# Altium PCB FULL_CB_REV_D.PcbDoc (continued)
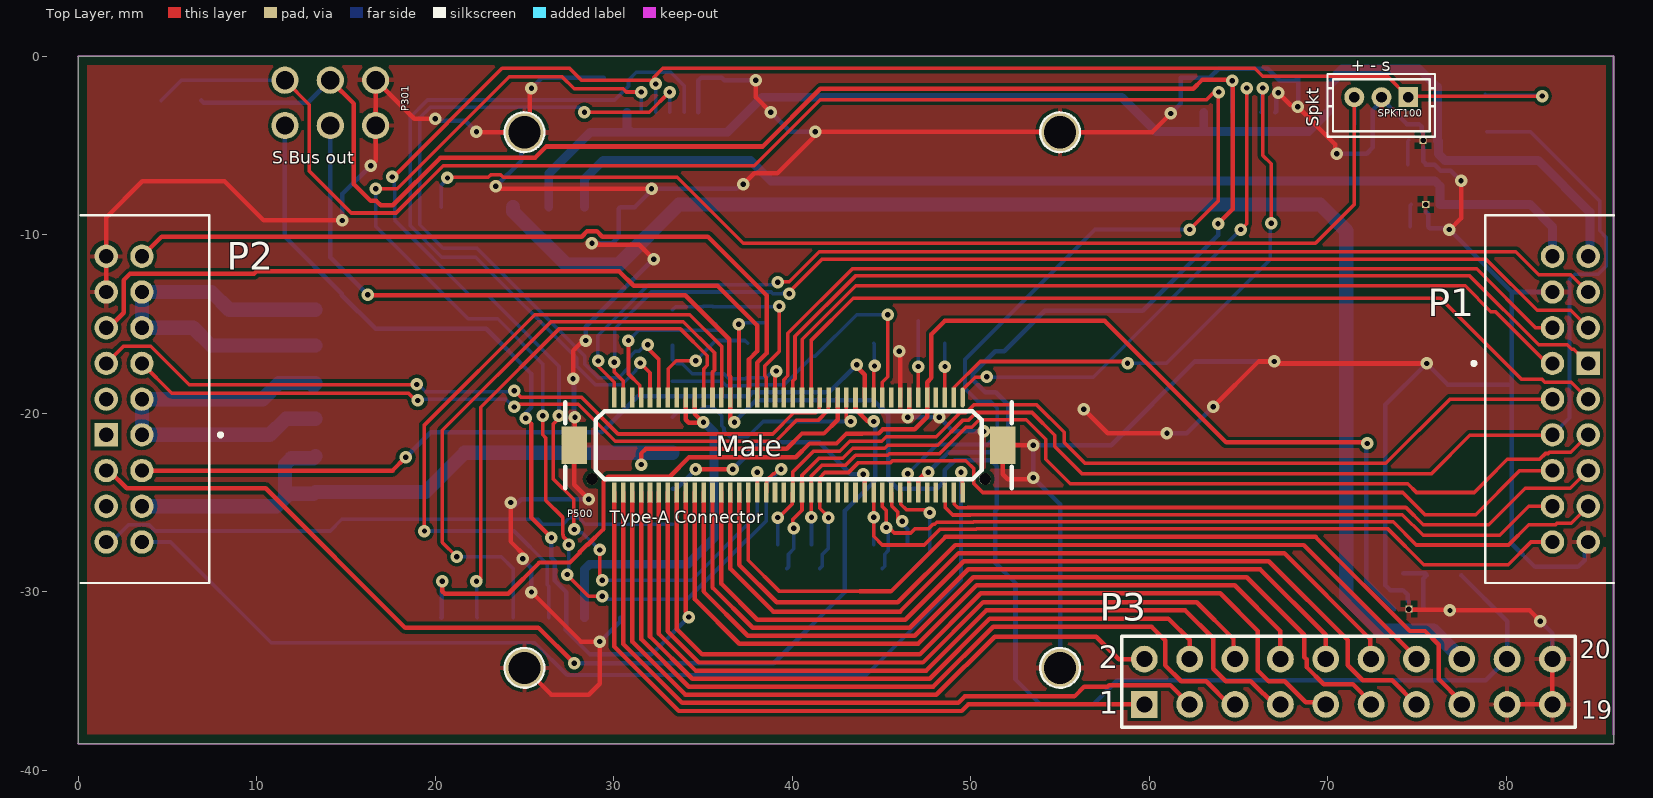
[diagram p0: Top Layer view]
## Nets (pads, with @x,y where several pads share a name; then routed paths per layer and width w, separated by ;. In a path a pad name is that pad's centre, name@x,y a point inside that pad or via, vN(x,y) a via of type N, cw(c..) or ccw(c..) an arc to the next point about the centre after c; other vN are vias at no path point) (continued)
  Top Layer w0.25: P500.54 36.531,-28.687 38.94,-31.096 46.036,-31.096 49.313,-27.819 67.544,-27.819 72.36,-32.635 72.36,-33.705 P3.12
FMU-CH4-PROT: P3.13 P500.56 | length 50.4
  Top Layer w0.254: P500.56 36.031,-29.548 38.031,-31.548 46.332,-31.548 49.609,-28.271 66.681,-28.271 71.1,-32.691 71.1,-34.1 71.95,-34.95 73.6,-34.95 74.95,-36.3 P3.13
FMU-CH5-PROT: P3.10 P500.58 | length 44.8
  Top Layer w0.25: P500.58 35.531,-29.751 37.78,-32 46.575,-32 49.852,-28.723 66.198,-28.723 69.875,-32.4 P3.10
FMU-CH6-PROT: P3.11 P500.60 | length 49.3
  Top Layer w0.25: P500.60 35.031,-29.972 37.509,-32.45 46.859,-32.45 50.134,-29.175 65.45,-29.175 68.675,-32.4 68.675,-33.65 68.8,-33.775 68.8,-34.205 69.77,-35.175 71.4,-35.175 72.415,-36.19 P3.11
FMU-SWCLK: P106.5 P500.3 | length 32.6
  Top Layer w0.2: P500.3 49.079,-19.085 49.079,-18.532 50.518,-17.092 58.667,-17.092 v1(58.775,-17.2) ; v1(66.35,-1.775) 66.35,-5.55 66.825,-6.025 v1(66.825,-9.35)
  Bottom Layer w0.2: v1(58.775,-17.2) 60.95,-17.2 66.775,-11.375 66.775,-9.375 66.8,-9.35 v1(66.825,-9.35) ; P106.5 66.298,-3.086 66.298,-1.827 v1(66.35,-1.775)
FMU-SWDIO: P106.4 P500.1 | length 29.2
  Top Layer w0.2: P500.1 49.534,-18.68 50.24,-17.974 50.868,-17.974 v1(50.892,-17.951) ; v1(65.125,-9.7) 65.45,-9.375 v1(65.45,-1.775)
  Bottom Layer w0.2: v1(50.892,-17.951) 50.915,-17.974 56.851,-17.974 v1(65.125,-9.7) ; P106.4 65.448,-3.136 65.448,-1.777 v1(65.45,-1.775)
GND: D101.A D102.A D108.A D301.A L101.GND L106.GND L300.GND P1.4 P1.7 P2.7 P2.9 P3.17 P3.19 P3.20 P105.6 P105.GND P106.6 P106.GND P301.5 P301.6 P500.13 P500.15 P500.GND PSM200.GND SPKT100.2 | length 308.5
  Top Layer w0.254: P2.9 P2.7 1.575,-9.025 3.6,-7 8.2,-7 10.392,-9.192 v1(14.801,-9.192) ; v1(16.384,-6.125) 16.664,-5.845 P301.5 P301.6 18.826,-3.5 v1(20,-3.5) ; v1(22.312,-4.221) 22.344,-4.253 24.998,-4.253 25.305,-3.945 25.305,-1.883 v1(25.391,-1.798) ; v1(23.391,-7.279) 23.537,-7.425 v1(32.116,-7.425) ; v1(24.221,-24.993) 24.221,-27.17 25.076,-28.025 25.013,-28.025 v1(24.9,-28.138) ; P500.GND@24.998,-34.25 26.512,-35.764 28.59,-35.764 29.207,-35.148 v1(29.207,-32.778) 28.164,-32.778 v1(25.391,-30.004) ; v1(27.721,-18.055) 27.721,-16.49 v1@28.294,-15.916 ; v1(27.828,-20.223) 27.828,-21.731 27.781,-21.779 27.781,-24.005 v1(28.59,-24.814) ; v1(28.781,-10.475) 28.781,-10.552 31.427,-10.552 v1(32.25,-11.375) ; v1(37.25,-7.168) 37.866,-6.552 39.169,-6.552 v1@41.29,-4.431 ; v1(37.957,-1.338) 37.957,-2.28 v1(38.8,-3.123) ; v1(41.287,-4.218) 41.304,-4.235 54.978,-4.235 54.995,-4.253 60.147,-4.253 v1(61.2,-3.2) ; v1(45.992,-16.523) 46.055,-16.585 P500.15 ; v1(46.471,-20.209) 46.537,-20.143 P500.13 ; v1(50.722,-21.011) 51.211,-21.011 51.795,-21.595 51.795,-21.779 51.795,-23.413 52.061,-23.679 53.423,-23.679 v1(53.5,-23.602) ; P500.GND@51.796,-21.779 v1(53.5,-21.779) ; v1(56.319,-19.766) 57.673,-21.12 v1(60.985,-21.12) ; v1(63.575,-19.631) 66.114,-17.092 v1(66.998,-17.092) 67.11,-17.204 v1(75.526,-17.204) ; v1(67.212,-2.034) 67.924,-2.745 ; v1(68.31,-2.831) 70.415,-4.935 70.415,-5.373 v1(70.5,-5.459) ; L300.GND@74.534,-30.959 74.573,-30.997 76.793,-30.997 v1(76.832,-31.036) 81.302,-31.036 v1(81.9,-31.634) ; v1(76.8,-9.7) 76.832,-9.7 77.455,-9.077 v1(77.455,-6.975) ; P3.17 P3.19 P3.20
  Bottom Layer w0.254: v1(14.801,-9.192) 14.801,-7.708 v1(16.384,-6.125) ; v1(20,-3.5) 20.099,-3.5 20.199,-3.6 21.692,-3.6 v1(22.312,-4.221) ; v1(23.391,-7.279) 24.81,-5.859 24.81,-4.441 P500.GND@24.998,-4.253 ; v1@24.427,-25.2 24.813,-24.814 v1(28.59,-24.814) ; v1(24.9,-28.138) 24.9,-28.191 25.391,-28.681 v1(25.391,-30.004) ; v1(25.391,-1.798) 26.001,-1.188 P105.GND@29.445,-1.188 ; v1(27.721,-18.055) 27.775,-18.109 27.775,-20.169 v1(27.828,-20.223) ; v1(28.431,-15.917) 28.431,-15.156 32.212,-11.375 v1(32.25,-11.375) ; v1(28.781,-10.475) 29.91,-10.475 30.275,-10.11 30.275,-8.531 30.36,-8.446 31.166,-8.446 32.116,-7.496 v1(32.116,-7.425) 36.891,-7.425 37.148,-7.168 v1(37.25,-7.168) ; v1(29.207,-32.778) 29.238,-32.778 30.36,-31.656 PSM200.GND@30.36,-31.446 ; P105.6 34.745,-1.338 34.895,-1.188 36.045,-1.188 36.195,-1.338 v1(37.957,-1.338) ; v1(38.8,-3.123) 39.895,-4.218 v1(41.287,-4.218) ; v1(46.471,-20.209) 48.204,-20.209 48.212,-20.217 v1(48.228,-20.217) 49.022,-21.011 v1(50.722,-21.011) ; P500.GND@54.995,-34.25 54.995,-25.097 v1(53.5,-23.602) v1(53.5,-21.779) 57.86,-21.779 62.548,-17.092 v1(66.998,-17.092) ; v1(60.985,-21.12) 62.086,-21.12 v1(63.575,-19.631) ; v1(61.2,-3.2) 61.746,-2.654 61.746,-1.188 63.387,-1.188 63.875,-0.7 65.9,-0.7 66.623,-0.7 67.3,-1.377 68.157,-1.377 68.346,-1.188 68.346,-2.795 v1(68.31,-2.831) ; P106.6 67.093,-3.091 v1@67.093,-2.274 ; v1(70.5,-5.459) 72.165,-5.459 72.516,-5.107 D102.A 72.516,-3.007 72.999,-2.524 SPKT100.2@72.999,-2.371 ; SPKT100.2 SPKT100.2@72.999,-2.371 ; L300.GND@74.534,-30.552 74.465,-30.484 74.465,-30.165 74.2,-29.9 73.5,-29.9 73.213,-29.613 D301.A 73.213,-19.517 v1(75.526,-17.204) 76.722,-18.4 80.3,-18.4 ; L106.GND@75.329,-5.107 75.329,-5.868 75.473,-6.013 D108.A 75.973,-6.064 76.311,-6.402 76.882,-6.402 v1(77.455,-6.975) ; L106.GND@75.329,-4.301 75.253,-4.225 75.253,-3.95 75.1,-3.798 74.426,-3.798 SPKT100.2@72.999,-2.371 ; L101.GND@75.475,-8.7 75.619,-8.844 D101.A 75.697,-9.622 76.722,-9.622 v1(76.8,-9.7) 80.3,-13.2 ; v1(81.9,-31.634) 82.575,-32.309 P3.20 ; P1.4 80.3,-13.2 ; P1.7 84.373,-27.402 84.373,-28.227 84,-28.6 81.6,-28.6 80.3,-27.3 80.3,-18.4 ; 80.3,-18.4 80.3,-13.2
I2C_1_SCL: P1.12 P500.37 | length 48.3
  Top Layer w0.2: P500.37 40.552,-19.103 40.552,-15.85 43.547,-12.856 77.681,-12.856 79.125,-14.3 79.384,-14.3 82.284,-17.2 P1.12
I2C_1_SDA: P1.18 P500.35 | length 50
  Top Layer w0.2: P500.35 41.051,-15.917 43.414,-13.554 76.3,-13.554 80.821,-18.075 81.975,-18.075 82.146,-18.246 83.621,-18.246 P1.18
I2C_2_SCL: P1.8 P500.6 | length 36.2
  Top Layer w0.2: P500.6 48.571,-24.456 48.571,-25.273 48.986,-25.688 49.97,-25.688 49.989,-25.669 74.169,-25.669 75.329,-26.829 79.621,-26.829 81.25,-25.2 P1.8
I2C_2_SDA: P1.16 P500.4 | length 37.9
  Top Layer w0.2: P500.4 49.079,-24.456 49.079,-25.083 49.283,-25.288 49.805,-25.288 49.823,-25.269 74.369,-25.269 75.335,-26.235 79.015,-26.235 81.05,-24.2 83.575,-24.2 P1.16
I\O\-\L\E\D\_\S\A\F\E\T\_\P\R\O\T\: P500.28
IO-!RESET: P500.75
IO-CH1-PROT: P3.1 P500.80 | length 40
  Top Layer w0.25: P500.80 30.032,-24.43 30.032,-33.054 33.644,-36.666 49.486,-36.666 49.852,-36.3 P3.1
IO-CH2-PROT: P3.3 P500.78 | length 42.4
  Top Layer w0.25: P500.78 30.529,-24.431 30.529,-32.915 33.83,-36.216 49.3,-36.216 49.666,-35.85 55.8,-35.85 56.35,-35.3 57.675,-35.3 57.75,-35.225 61.18,-35.225 P3.3
IO-CH3-PROT: P3.2 P500.76 | length 40.1
  Top Layer w0.254: P500.76 31.031,-32.778 34.017,-35.764 48.07,-35.764 51.334,-32.5 57.015,-32.5 58.275,-33.76 P3.2
IO-CH4-PROT: P3.5 P500.74 | length 46.6
  Top Layer w0.254: P500.74 31.531,-32.636 34.205,-35.31 47.882,-35.31 51.248,-31.944 60.119,-31.944 60.875,-32.7 60.875,-34.1 61.775,-35 63.175,-35 64.475,-36.3 P3.5
IO-CH5-PROT: P3.4 P500.72 | length 42.2
  Top Layer w0.254: P500.72 32.031,-32.493 34.393,-34.856 47.694,-34.856 51.06,-31.49 61.062,-31.49 62.255,-32.683 P3.4
IO-CH6-PROT: P3.7 P500.70 | length 48.1
  Top Layer w0.254: P500.70 32.531,-32.351 34.581,-34.402 47.506,-34.402 50.872,-31.036 62.011,-31.036 63.575,-32.6 63.575,-34.3 64.275,-35 65.675,-35 66.375,-35.7 66.398,-35.7 66.998,-36.3 P3.7
IO-CH7-PROT: P3.6 P500.68 | length 43.6
  Top Layer w0.25: P500.68 33.031,-32.212 34.769,-33.95 47.319,-33.95 50.685,-30.584 62.659,-30.584 64.71,-32.635 64.71,-33.675 P3.6
IO-CH8-PROT: P3.9 P500.66 | length 49.9
  Top Layer w0.25: P500.66 33.531,-32.076 34.955,-33.5 47.133,-33.5 50.558,-30.075 63.964,-30.075 66.075,-32.186 66.075,-34.4 66.675,-35 67.575,-35 68.75,-36.175 69.75,-36.175 P3.9
IO-SWCLK: P105.5 P500.71 | length 44.1
  Top Layer w0.2: v1(31.475,-17.173) 32.031,-17.728 P500.71
  Bottom Layer w0.2: v1(31.475,-17.173) 31.475,-17.308 31.225,-17.558 31.225,-17.61 30.441,-18.394 28.979,-18.394 27.93,-17.345 27.93,-16.901 22.278,-11.249 20.375,-11.249 18.6,-9.474 18.6,-3.415 19.567,-2.448 30.059,-2.448 30.825,-1.682 30.825,-1.338 31.263,-0.9 33.183,-0.9 33.945,-1.662 P105.5
IO-SWDIO: P105.4 P500.69 | length 42.9
  Top Layer w0.2: v1(28.36,-3.138) 31.987,-3.138 v1(33.125,-2) ; v1(31.912,-16.163) 31.892,-16.163 31.805,-16.25 32.531,-16.976 P500.69
  Bottom Layer w0.2: v1(28.36,-3.138) 28.07,-2.848 19.733,-2.848 19.133,-3.448 19.133,-9.441 20.441,-10.75 22.345,-10.75 28.383,-16.788 28.383,-17.232 29.144,-17.994 30.275,-17.994 30.825,-17.444 30.825,-16.903 31.206,-16.523 31.417,-16.523 31.776,-16.163 v1(31.912,-16.163) ; v1(33.125,-2) 33.135,-2.01 33.135,-3.128 P105.4
IO-USART1_RX_SPECTRUM_DSM: JP100.1 P105.3 P500.48 SPKT100.1 | length 115.8
  Top Layer w0.2: v1(17.593,-6.759) 17.661,-6.759 23.744,-0.675 27.526,-0.675 28.201,-1.35 v1@32.346,-1.35 ; v1(26.933,-20.135) 26.933,-20.27 26.6,-20.603 26.6,-23.662 27.753,-24.814 27.753,-26.501 v1(27.783,-26.501) ; v1(29.207,-27.648) 29.207,-29.19 v1(29.357,-29.34) ; v1(32.346,-1.55) v1@32.346,-1.35 ; P500.48 38.031,-23.305 v1(38.042,-23.294) ; v1(82,-2.225) 74.564,-2.225 SPKT100.1 73.333,-1.125 66.35,-1.125 65.9,-0.675 32.75,-0.675 32.25,-1.175 32.25,-1.245 32.355,-1.35 v1@32.346,-1.35
  Bottom Layer w0.2: v1(17.593,-6.759) 17.705,-6.871 17.705,-7.405 17.725,-7.425 17.725,-9.165 21.943,-13.382 22.957,-13.382 26.933,-17.358 v1(26.933,-20.135) ; v1(27.783,-26.501) 27.753,-26.531 27.753,-26.586 27.849,-26.682 28.24,-26.682 v1(29.207,-27.648) ; v1(29.357,-29.34) 34.36,-29.34 38.042,-25.658 v1(38.042,-23.294) ; P105.3 v1(32.346,-1.55) ; JP100.1 78.849,-2.182 81.957,-2.182 v1(82,-2.225)
IO-USART1_TX: P105.2 P500.46 | length 64.6
  Top Layer w0.2: v1(16.664,-7.425) 17.875,-7.425 24.152,-1.148 27.106,-1.148 27.783,-1.825 30.531,-1.825 30.706,-2 v1(31.545,-2) ; v1(26.023,-20.135) 26.023,-21.198 26.2,-21.375 26.2,-24.873 27.133,-25.806 27.133,-26.77 27.16,-26.798 27.16,-26.891 27.484,-27.215 v1(27.484,-27.35) ; v1(27.4,-29.025) 27.4,-29.05 28.59,-30.24 v1(29.357,-30.24) ; P500.46 38.558,-24.402 38.558,-23.756 38.94,-23.374 38.995,-23.374 39.235,-23.135 v1(39.37,-23.135)
  Bottom Layer w0.2: v1(16.664,-7.425) 16.664,-9.53 21.841,-14.706 23.498,-14.706 26.023,-17.231 v1(26.023,-20.135) ; v1(27.4,-29.025) 27.484,-28.941 v1(27.484,-27.35) ; v1(29.357,-30.24) 29.453,-30.336 29.618,-30.336 29.678,-30.396 34.127,-30.396 37.493,-27.03 37.532,-27.03 38.529,-26.033 38.529,-23.976 v1(39.37,-23.135) ; P105.2 v1(31.545,-2)
NetD101_C: D101.C L101.P$2 | length 1.3
  Bottom Layer w0.2: D101.C 74.611,-8.351 L101.P$2
NetD108_C: D108.C L106.P$2 | length 1.4
  Bottom Layer w0.2: D108.C 74.465,-4.758 L106.P$2
NetD300_CATHODE: D300.CATHODE D301.C L300.P$1 | length 3.4
  Bottom Layer w0.254: D301.C 75.443,-28.952 D300.CATHODE 75.334,-29.264 L300.P$1
OTG_DM1: P2.11 P500.33 | length 43.7
  Top Layer w0.2: P2.11 2.525,-16.25 3,-16.25 3.004,-16.246 4.071,-16.246 6.225,-18.4 18.948,-18.4 v1(18.971,-18.377) ; v1(24.427,-18.722) 24.427,-18.727 24.785,-19.085 28.175,-19.085 30.242,-21.151 38.905,-21.151 40.085,-19.971 41.302,-19.971 41.506,-19.766 41.506,-19.139 P500.33
  Bottom Layer w0.2: v1(18.971,-18.377) 19.046,-18.377 19.462,-18.792 24.357,-18.792 v1(24.427,-18.722)
OTG_DP1: P2.17 P500.31 | length 41.9
  Top Layer w0.2: P2.17 5.25,-18.875 18.506,-18.875 18.906,-19.275 v1(19.025,-19.275) ; v1(24.424,-19.638) 24.424,-19.615 24.554,-19.485 28.01,-19.485 30.076,-21.551 39.07,-21.551 40.251,-20.371 41.468,-20.371 42.014,-19.824 42.014,-19.139 P500.31
  Bottom Layer w0.2: v1(19.025,-19.275) 19.1,-19.2 23.943,-19.2 24.381,-19.638 v1(24.424,-19.638)
PPM-SBUS-PROT: P3.8 P500.62 | length 43.8
  Top Layer w0.25: P500.62 34.531,-30.398 37.033,-32.9 47.045,-32.9 50.32,-29.625 64.774,-29.625 67.335,-32.186 P3.8
PRESSURE_SENS_IN: ADC_PR.P$1 P500.21 | length 3.1
  Top Layer w0.2: P500.21 44.556,-17.391 v1(44.607,-17.34)
  Bottom Layer w0.2: ADC_PR.P$1 44.581,-16.1 44.581,-17.315 v1(44.607,-17.34)
RX_5V0_OUT: P3.16 PSM200.RX | length 78.6
  Bottom Layer w0.8: PSM200.RX 24.36,-8.688 27.347,-11.675 30.275,-11.675 33.65,-8.3 69.55,-8.3 71.025,-9.775 71.025,-30.275 72.912,-32.162 75.897,-32.162 P3.16
S.BUS_OUT: P301.1 P500.64 | length 54.1
  Top Layer w0.254: v1(25.076,-20.276) 25.391,-20.59 25.391,-25.837 v1(26.51,-26.957) ; P500.64 34.031,-31.109 34.206,-31.284 v1(34.206,-31.405)
  Bottom Layer w0.254: P301.1 11.584,-10.11 14.774,-13.3 14.774,-13.376 16.664,-15.266 22.866,-15.266 25.391,-17.791 25.391,-19.664 25.076,-19.978 v1(25.076,-20.276) ; v1(26.51,-26.957) 26.51,-28.081 26.7,-28.271 26.7,-29.358 27.347,-30.004 27.347,-31.873 27.3,-31.92 27.3,-32.13 28.67,-33.5 32.111,-33.5 v1(34.206,-31.405)
SAFETY: P500.17
SERIAL1_CTS: P500.44
SERIAL1_RTS: P500.42
SERIAL1_RX: JP100.2 P1.17 P500.38 S1RX.P$1 | length 75.1
  Top Layer w0.2: v1(40.087,-26.428) 40.046,-26.469 40.035,-26.469 40.035,-25.932 40.543,-25.424 P500.38 40.543,-23.461 41.494,-22.51 42.818,-22.51 43.377,-21.951 45.176,-21.951 45.349,-21.779 48.151,-21.779 49.559,-20.371 49.877,-20.371 50.297,-19.951 53.426,-19.951 54.7,-21.225 54.7,-21.85 56.224,-23.374 75.801,-23.374 77.95,-21.225 82.55,-21.225 P1.17
  Bottom Layer w0.2: S1RX.P$1 39.789,-28.598 39.789,-27.879 40.087,-27.581 v1(40.087,-26.428) ; JP100.2 81.347,-4.222 85.225,-8.1 85.225,-9.775 85.575,-10.125 85.575,-11.75 85.125,-12.2 83.825,-12.2 83.529,-12.496 83.529,-20.246 P1.17
SERIAL1_TX: P1.6 P500.40 S1TX.P$1 | length 51.7
  Top Layer w0.2: v1(39.181,-25.831) 39.283,-25.729 39.34,-25.729 40.008,-25.062 40.008,-24.456 P500.40 40.035,-23.259 41.184,-22.11 42.652,-22.11 43.211,-21.551 45.01,-21.551 45.253,-21.309 48.055,-21.309 49.393,-19.971 49.711,-19.971 50.157,-19.525 53.7,-19.525 55.225,-21.05 55.225,-21.625 56.391,-22.791 73.241,-22.791 76.832,-19.2 P1.6
  Bottom Layer w0.2: S1TX.P$1 39.178,-27.347 39.178,-25.835 v1(39.181,-25.831)
SERIAL2_CTS: P500.32
SERIAL2_RTS: P500.30
SERIAL2_RX: P1.10 P500.34 S2RX.P$1 | length 49.7
  Top Layer w0.2: v1(42.025,-25.85) 42.025,-25.796 41.533,-25.305 41.533,-23.602 41.825,-23.31 43.149,-23.31 43.708,-22.751 45.508,-22.751 45.609,-22.65 49.719,-22.65 50.174,-23.105 50.174,-23.94 50.663,-24.429 74.196,-24.429 75.436,-25.669 78.281,-25.669 80.75,-23.2 P1.10
  Bottom Layer w0.2: S2RX.P$1 41.689,-28.532 41.689,-27.879 42.025,-27.543 v1(42.025,-25.85)
SERIAL2_TX: P1.11 P500.36 S2TX.P$1 | length 52.4
  Top Layer w0.2: v1(41.075,-25.825) 41.063,-25.813 41.063,-24.441 P500.36 41.051,-23.518 41.66,-22.91 42.984,-22.91 43.542,-22.351 45.342,-22.351 45.443,-22.25 48.245,-22.25 49.725,-20.771 50.043,-20.771 50.463,-20.351 53.101,-20.351 54.2,-21.45 54.2,-22.575 55.565,-23.94 74.466,-23.94 74.955,-24.429 78.196,-24.429 79.425,-23.2 79.425,-23.185 80.035,-22.575 81.851,-22.575 82.18,-22.246 82.329,-22.246 82.4,-22.175 83.6,-22.175 P1.11
  Bottom Layer w0.2: S2TX.P$1 v1(41.075,-25.825)
SERIAL3_RX: P1.9 P500.20 S3RX.P$1 | length 45.7
  Top Layer w0.2: P500.20 45.039,-25.214 45.262,-25.437 v1(45.262,-26.392) 45.397,-26.392 45.702,-26.696 46.632,-26.696 46.859,-26.469 47.614,-26.469 47.882,-26.201 47.972,-26.201 48.085,-26.088 50.136,-26.088 50.155,-26.069 73.649,-26.069 74.949,-27.369 80.115,-27.369 81.25,-26.235 82.744,-26.235 82.825,-26.154 83.621,-26.154 P1.9
  Bottom Layer w0.2: S3RX.P$1 45.17,-28.556 45.17,-27.879 45.364,-27.685 45.364,-26.493 v1(45.262,-26.392)
SERIAL3_TX: P1.15 P500.22 S3TX.P$1 | length 43.9
  Top Layer w0.2: P500.22 v1(44.556,-25.825) 44.556,-26.887 45.039,-27.369 47.397,-27.369 48.272,-26.494 50.295,-26.494 50.32,-26.469 73.368,-26.469 75.374,-28.475 80.094,-28.475 81.369,-27.2 P1.15
  Bottom Layer w0.2: S3TX.P$1 v1(44.556,-25.825)
SERIAL4_RX: P500.16 S4RX.P$1 | length 6
  Top Layer w0.2: P500.16 46.082,-24.456 46.082,-25.083 46.394,-25.396 47.547,-25.396 v1(47.702,-25.551)
  Bottom Layer w0.2: S4RX.P$1 47.702,-27.785 v1(47.702,-25.551)
SERIAL4_TX: P500.18 S4TX.P$1 | length 3.3
  Top Layer w0.2: P500.18 45.574,-24.456 45.574,-25.183 45.912,-25.521 45.912,-25.892 46.065,-26.046 v1(46.162,-26.046)
  Bottom Layer w0.2: v1(46.162,-26.046) 46.162,-26.181 46.45,-26.469 S4TX.P$1
SERIAL5_RX: P106.3 P301.4 P500.12 S5_RX.P$1 | length 105.9
  Top Layer w0.254: P301.4 15.45,-2.664 15.45,-7.168 16.384,-8.102 16.701,-8.102 16.949,-8.35 17.629,-8.35 20.294,-5.685 25.591,-5.685 26.226,-5.05 38.343,-5.05 41.568,-1.825 62.45,-1.825 62.95,-1.325 64.52,-1.325 64.572,-1.377 v1(64.643,-1.377) ; P500.12 47.045,-23.734 47.319,-23.46 47.333,-23.46 47.494,-23.3 v1(47.614,-23.3) ; v1(63.846,-9.375) 64.668,-8.552 v1@64.668,-1.325
  Bottom Layer w0.254: S5_RX.P$1 7.03,-2.605 12.857,-2.605 P301.4 ; v1(47.614,-23.3) 48.745,-22.169 51.087,-22.169 52.1,-21.156 52.1,-19.517 51.404,-18.821 50.804,-18.821 50.1,-18.117 50.1,-17.785 51.362,-16.523 51.875,-16.523 54.148,-14.25 59.625,-14.25 63.846,-10.029 v1(63.846,-9.375) ; v1(64.643,-1.377) 64.644,-1.378 64.644,-3.137 P106.3
SERIAL5_TX: P106.2 P301.2 P500.14 S5_TX.P$1 | length 105.2
  Top Layer w0.2: P301.2 12.95,-2.704 12.95,-6.422 15.305,-8.777 17.806,-8.777 20.458,-6.125 37.872,-6.125 41.572,-2.425 63.2,-2.425 63.654,-1.971 63.684,-2.002 v1(63.875,-2.002) ; v1(46.471,-23.375) 46.51,-23.414 46.51,-24.402 P500.14 ; v1(62.255,-9.7) 63.85,-8.105 v1@63.85,-2.002
  Bottom Layer w0.2: S5_TX.P$1 5.787,-1.338 P301.2 ; v1(46.471,-23.375) 48.104,-21.742 50.91,-21.742 51.473,-21.178 51.473,-19.707 51.101,-19.334 50.403,-19.334 49.673,-18.604 49.673,-16.977 56.95,-9.7 v1(62.255,-9.7) ; P106.2 63.86,-3.123 63.86,-2.017 v1(63.875,-2.002)
SPI_EXT_MISO: P500.67 SPI_MISO1.P$1 | length 6.8
  Top Layer w0.2: P500.67 33.058,-19.085 33.058,-17.492 33.499,-17.051 34.581,-17.051 v1(34.591,-17.042)
  Bottom Layer w0.2: v1(34.591,-17.042) 35.716,-15.916 37.341,-15.916 SPI_MISO1.P$1
SPI_EXT_MOSI: P500.51 SPI_MOSI1.P$1 | length 5.7
  Top Layer w0.2: v1(37.001,-14.999) 37.016,-15.014 37.016,-19.097 P500.51
  Bottom Layer w0.2: v1(37.001,-14.999) 37.088,-14.912 38.522,-14.912 SPI_MOSI1.P$1@38.542,-14.892
SPI_EXT_SCK: P500.73 SPI_SCK1.P$1 | length 9
  Top Layer w0.2: v1(30.825,-15.917) 30.825,-17.796 31.458,-18.429 31.458,-19.039 P500.73
  Bottom Layer w0.2: v1(30.825,-15.917) 31.402,-15.341 SPI_SCK1.P$1@35.973,-15.341 ; SPI_SCK1.P$1@35.611,-14.975 SPI_SCK1.P$1
V\B\U\S\_\V\A\L\I\D\: P500.59 PSM200.!VBUS_VALID | length 29.5
  Top Layer w0.2: v1(22.312,-29.405) 22.433,-29.405 22.55,-29.288 22.55,-19.65 26.933,-15.267 33.735,-15.267 35.241,-16.772 35.241,-17.311 35.031,-17.521 P500.59
  Bottom Layer w0.2: v1(22.312,-29.405) 22.334,-29.428 22.334,-31.424 PSM200.!VBUS_VALID
V\D\D\_\5\V\_\H\I\P\O\W\E\R\_\O\C\: P500.45 PSM200.!VDD_5V_HIPOWER_OC | length 11.6
  Top Layer w0.2: P500.45 38.531,-17.974 38.452,-17.895 38.452,-17.343 39.264,-16.53 v1(39.264,-13.993)
  Bottom Layer w0.2: PSM200.!VDD_5V_HIPOWER_OC 33.471,-14.017 34.998,-14.017 35.006,-14.009 35.544,-14.009 35.552,-14.017 39.24,-14.017 v1(39.264,-13.993)
V\D\D\_\5\V\_\P\E\R\I\P\H\_\E\N\: P500.27 PSM200.!VDD_5V_PERIPH_EN | length 13.4
  Top Layer w0.2: P500.27 43.032,-20.347 43.277,-20.592 v1(43.277,-20.451)
  Bottom Layer w0.2: PSM200.!VDD_5V_PERIPH_EN 33.605,-19.891 34.772,-19.891 35.025,-19.638 35.553,-19.638 36.045,-20.13 36.045,-20.692 36.175,-20.822 36.175,-20.995 36.488,-21.309 37.51,-21.309 38.368,-20.451 v1(43.277,-20.451)
V\D\D\_\5\V\_\P\E\R\I\P\H\_\O\C\: P500.43 PSM200.!VDD_5V_PERIPH_OC | length 8.7
  Top Layer w0.2: P500.43 39.031,-17.697 v1(39.102,-17.626)
  Bottom Layer w0.2: PSM200.!VDD_5V_PERIPH_OC 33.292,-16.988 33.517,-17.212 33.842,-17.212 34.405,-17.775 36.179,-17.775 36.459,-18.055 37.365,-18.055 37.426,-17.994 38.529,-17.994 38.897,-17.626 v1(39.102,-17.626)
V\D\D\_\B\A\C\K\U\P\_\V\A\L\I\D\: P500.57 PSM200.!VDD_BACKUP_VALID | length 34.6
  Top Layer w0.2: v1(21.2,-28.025) 20.4,-27.225 20.4,-20.95 26.483,-14.867 33.901,-14.867 35.641,-16.607 35.641,-17.575 35.531,-17.685 P500.57
  Bottom Layer w0.2: v1(21.2,-28.025) 23.7,-28.025 24.36,-28.685 PSM200.!VDD_BACKUP_VALID
V\D\D\_\B\R\I\C\K\_\V\A\L\I\D\: P500.55 PSM200.!VDD_BRICK_VALID | length 39.4
  Top Layer w0.2: v1(19.399,-26.586) 19.399,-26.524 19.375,-26.5 19.375,-20.675 25.583,-14.467 34.258,-14.467 36.041,-16.25 36.041,-19.102 P500.55
  Bottom Layer w0.2: v1(19.399,-26.586) 24.411,-26.586 26.273,-28.448 26.273,-29.585 26.36,-29.671 PSM200.!VDD_BRICK_VALID
VBUS: P2.4 P500.29 PSM200.VBUS PSM200.VDD_VBUS | length 49
  Top Layer w0.25: v1(31.531,-22.865) 31.531,-22.25 31.805,-21.976 39.692,-21.976 40.543,-21.125 41.773,-21.125 42.549,-20.349 P500.29
  Bottom Layer w0.25: v1(31.531,-22.865) 31.545,-22.85 31.545,-22.211
  Bottom Layer w0.8: P2.4 11.116,-25.2 11.584,-24.731 ; PSM200.VDD_VBUS@13.292,-22.396 13.184,-22.504 11.945,-22.504 11.584,-22.865 11.584,-24.731 ; PSM200.VBUS 31.545,-22.211 21.639,-22.211 19.454,-24.396 13.292,-24.396 13.184,-24.504 11.812,-24.504 11.584,-24.731
VDD_3V3_SPEKTRUM: D102.C PSM200.SPEK SPKT100.3 | length 62.7
  Top Layer w0.2: v1(20.688,-6.813) 20.727,-6.775 22.975,-6.775 23.121,-6.629 23.66,-6.629 23.806,-6.775 33.55,-6.775 37.25,-10.475 69.3,-10.475 71.475,-8.3 SPKT100.3
  Bottom Layer w0.2: PSM200.SPEK 20.35,-7.21 20.688,-6.872 v1(20.688,-6.813) ; SPKT100.3 71.491,-2.307 71.491,-3.798 D102.C
VDD_3V3_SPEKTRUM_EN: P500.19 PSM200.VDD_3V3_SPEKTRUM_EN | length 18.6
  Top Layer w0.2: P500.19 45.039,-18.253 45.342,-17.95 v1(45.342,-14.467)
  Bottom Layer w0.2: PSM200.VDD_3V3_SPEKTRUM_EN 36.034,-18.196 36.293,-18.455 37.531,-18.455 37.592,-18.394 39.541,-18.394 41.147,-16.788 41.287,-16.788 43.608,-14.467 v1(45.342,-14.467)
VDD_5V_BACKUP: P2.6 P2.12 PSM200.VDD_5V_BACKUP | length 22.4
  Bottom Layer w0.8: PSM200.VDD_5V_BACKUP@13.184,-18.455 13.292,-18.347 13.292,-18.296 11.247,-18.296 10.343,-19.2 P2.6 P2.12 10.739,-21.2 11.643,-20.296 PSM200.VDD_5V_BACKUP@13.292,-20.296
VDD_5V_BRICK: P2.8 P2.10 PSM200.VDD_BRICK_IN | length 22.3
  Bottom Layer w0.8: PSM200.VDD_BRICK_IN@13.292,-16.196 7.446,-16.196 6.45,-15.2 P2.10 P2.8 7.475,-13.2 8.471,-14.196 PSM200.VDD_BRICK_IN@13.292,-14.196
VDD_5V_HIPOWER: L101.P$1 P1.14 PSM200.5V_HIPOWER | length 60
  Bottom Layer w0.5: PSM200.5V_HIPOWER 28.36,-6.878 29.412,-5.825 37.65,-5.825 38.8,-6.975 75.982,-6.975 76.275,-7.268 L101.P$1 81.33,-8.3 82.575,-9.545 P1.14
VDD_5V_IN_PROT: P500.61 P500.63 PSM200.VDD_5V_IN_PROT | length 21.4
  Top Layer w0.25: P500.63 34.031,-20.351 34.205,-20.525 35.001,-20.525 v1(35.025,-20.501) ; P500.61 34.531,-20.031 v1@35.025,-20.525
  Bottom Layer w0.5: PSM200.VDD_5V_IN_PROT 28.36,-28.741 28.653,-28.448 34.152,-28.448 35.625,-26.975 35.625,-21.05 35.076,-20.501 v1(35.025,-20.501)
VDD_5V_PERIPH: L106.P$1 P1.5 P105.1 P106.1 PSM200.5V_PERIPH | length 75.5
  Bottom Layer w0.5: PSM200.5V_PERIPH 26.36,-6.565 28.672,-4.253 30.745,-4.253 30.975,-4.253 ; P105.1 30.745,-4.023 30.975,-4.253 ; P106.1 63.046,-4.218 63.05,-4.222 ; P1.5 84.675,-11.1 84.675,-8.725 81.775,-5.825 76.55,-5.825 76.184,-5.459 76.184,-4.762 L106.P$1 76.129,-1.729 75.1,-0.7 70.793,-0.7 70.5,-0.993 70.5,-1.2 70.1,-1.6 70.1,-3.025 68.903,-4.222 63.05,-4.222 ; 30.975,-4.253 36.364,-4.253 38.326,-2.291 58.44,-2.291 60.371,-4.222 63.05,-4.222
VDD_SERVO: D300.ANODE P3.18 P301.3 P500.53 | length 104.4
  Top Layer w0.254: v1(16.225,-13.35) 16.258,-13.383 33.998,-13.383 36.468,-15.852 36.468,-17.871 36.531,-17.934 P500.53 36.531,-20.351 36.681,-20.501 v1(36.762,-20.501)
  Bottom Layer w0.254: P301.3 14.124,-11.249 v1(16.225,-13.35) ; v1(36.762,-20.501) 36.762,-20.47 37.957,-19.275 44.556,-19.275 45.364,-20.083 45.364,-23.679 45.902,-24.217 48.083,-24.217 48.544,-23.757 48.544,-23.171 49.092,-22.623 51.123,-22.623 51.462,-22.962 51.462,-25.361 51.362,-25.461 51.362,-28.362 52.5,-29.5 52.5,-34.9 53.9,-36.3 56.851,-36.3 58.201,-34.95 78.845,-34.95 P3.18 80.035,-31.634 D300.ANODE
VDD_SERVO_IN: L300.P$2 P500.9 PSM200.SERVO_IN | length 77.8
  Top Layer w0.25: v1(20.4,-29.405) 20.4,-29.954 20.546,-30.1 24.088,-30.1 25.838,-28.35 27.55,-28.35 28.106,-27.794 28.106,-27.745 28.501,-27.35 28.55,-27.35 29.425,-26.475 29.425,-23.8 29.685,-23.54 33.135,-23.54 34.215,-22.46 40.193,-22.46 40.968,-21.685 42.476,-21.685 43.035,-21.126 43.928,-21.126 43.929,-21.125 44.836,-21.125 45.077,-20.884 46.864,-20.884 47.553,-20.194 P500.9 47.553,-18.247 47.794,-18.006 47.794,-15.571 48.544,-14.821 57.494,-14.821 64.298,-21.625 72.149,-21.625 v1(72.204,-21.681)
  Bottom Layer w0.25: PSM200.SERVO_IN 20.375,-31.421 20.375,-29.431 v1(20.4,-29.405) ; v1(72.204,-21.681) 72.204,-21.696 72.15,-21.75 72.15,-29.388 L300.P$2
pads on no net: P2.1 P2.3 P2.18 P500.26 P500.65 P500.hole-1 P500.hole-2 PSM200.NC

## Polygon pours and split planes (outlines as drawn)
no net on Bottom Layer "NONET_L02_P014" (solid, pour order 14): 0.5,-0.5 85.5,-0.5 85.5,-38 0.5,-38
GND on Top Layer "Top-GND" (solid, remove dead copper, pour order 13): 0.498,-0.502 85.57,-0.502 85.57,-37.974 0.498,-37.974

## Keep-outs
Keep-Out Layer:
  lines w0.1: 0,-38.5 86,-38.5 ; 0,0 86,0 ; 86,-38 86,0.012

## Silkscreen, mask and mechanical layers (free items; w line width, h text height)
Top Overlay:
  text "+ - s" at 71.284,-0.838 h0.7
  text "Spkt" at 69.484,-3.938 h0.7 r90
  text "S.Bus out" at 10.876,-6.005 h0.7
  text "Type-A Connector" at 29.784,-26.138 h0.7
Mechanical 1:
  the board outline again, w0.1

## Text inside footprints (layer, text, board x,y; h text height)
P1: Mechanical 13 "PCB EDGE" at 85.775,-8.6 h0.81 r90
P2: Mechanical 13 "PCB EDGE" at 0.375,-29.8 h0.81 r270
P3: Top Overlay "20" at 84.1,-33.7 h1; Top Overlay "19" at 84.2,-37.1 h1; Top Overlay "1" at 57.175,-36.808 h1.27; Top Overlay "2" at 57.175,-34.268 h1.27
P500: Top Overlay "Male" at 35.721,-22.799 h1.97
PSM200: Bottom Overlay "3DR Part# PCA_0007" at 27.652,-17.876 h0.7 r45; Bottom Overlay "IN_5V_A" at 12.242,-14.296 h0.7 r90; Bottom Overlay "IN_5V_B" at 12.242,-18.196 h0.7 r90; Bottom Overlay "IN_5V_USB" at 12.242,-22.096 h0.7 r90; Bottom Overlay "3v3 SPEK" at 19.642,-8.196 h0.7; Bottom Overlay "5V RX" at 25.042,-7.496 h0.7; Bottom Overlay "NC" at 22.642,-7.503 h0.7; Bottom Overlay "5v P" at 26.942,-7.496 h0.7; Bottom Overlay "5V HP" at 29.142,-7.496 h0.7; Bottom Overlay "GND" at 31.2,-32.8 h0.7; Bottom Overlay "Servo_VIN" at 19.642,-32.096 h0.7; Bottom Overlay "U_OK" at 23.042,-32.696 h0.7; Bottom Overlay "B_OK" at 25.042,-32.696 h0.7; Bottom Overlay "A_OK" at 27.042,-32.696 h0.7; Bottom Overlay "FMU_5V" at 29.357,-33.5 h0.7; Bottom Overlay "GND" at 30.942,-7.596 h0.7; Bottom Overlay "BUZZ" at 34.642,-25.596 h0.7 r90; Bottom Overlay "HP OC" at 34.642,-13.096 h0.7 r90; Bottom Overlay "P OC" at 34.642,-15.696 h0.7 r90; Bottom Overlay "S EN" at 34.642,-17.696 h0.7 r90; Bottom Overlay "P EN" at 34.642,-19.696 h0.7 r90; Bottom Overlay "VBUS" at 34.642,-21.496 h0.7 r90; Bottom Overlay "ALM" at 34.642,-23.696 h0.7 r90; Bottom Overlay "POWER IN" at 16.692,-18.806 h0.7 r90; Bottom Overlay "IO and power PixHawk2" at 26.852,-17.076 h0.7 r45